# Altium PCB rv_pwr_es.PcbDoc
Units mil, origin at the board's own origin, x right, y up, seen from the top; angles counter-clockwise.
Board outline 8200 x 4900 mil, 2 copper layers (Top Layer, Bottom Layer), stack 60.4 mil thick; 78 components, 49 nets, 314 pads, 22 vias.
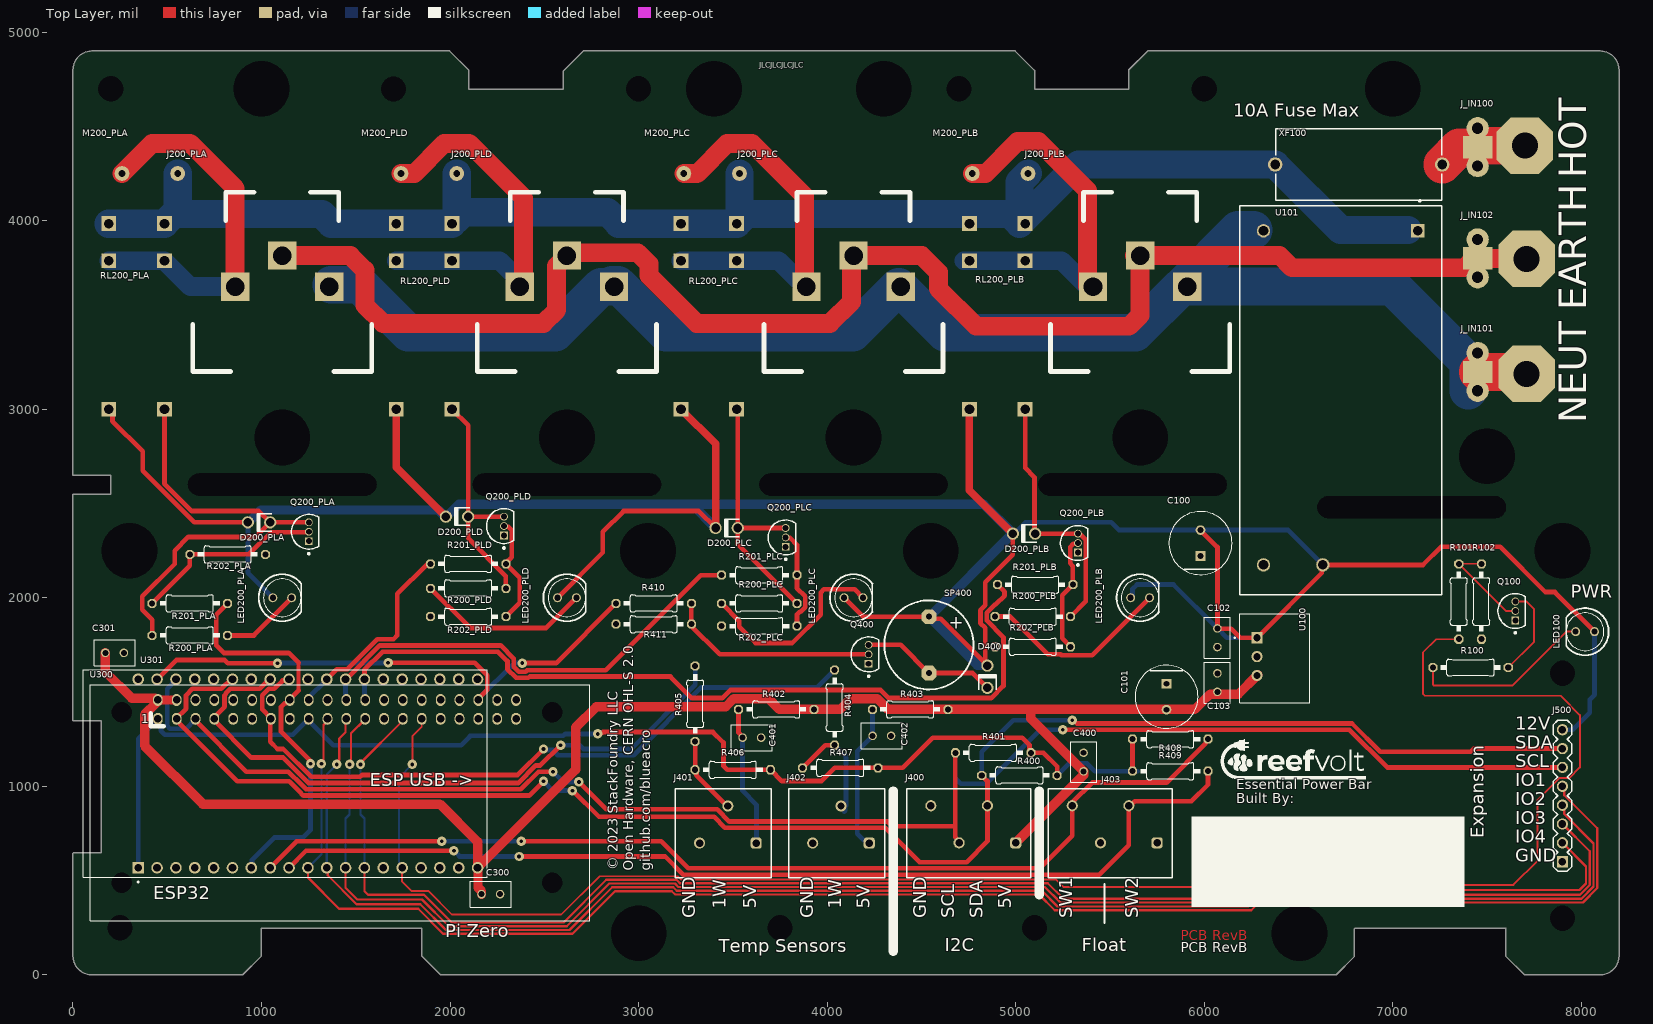
[diagram p0: Top Layer view]
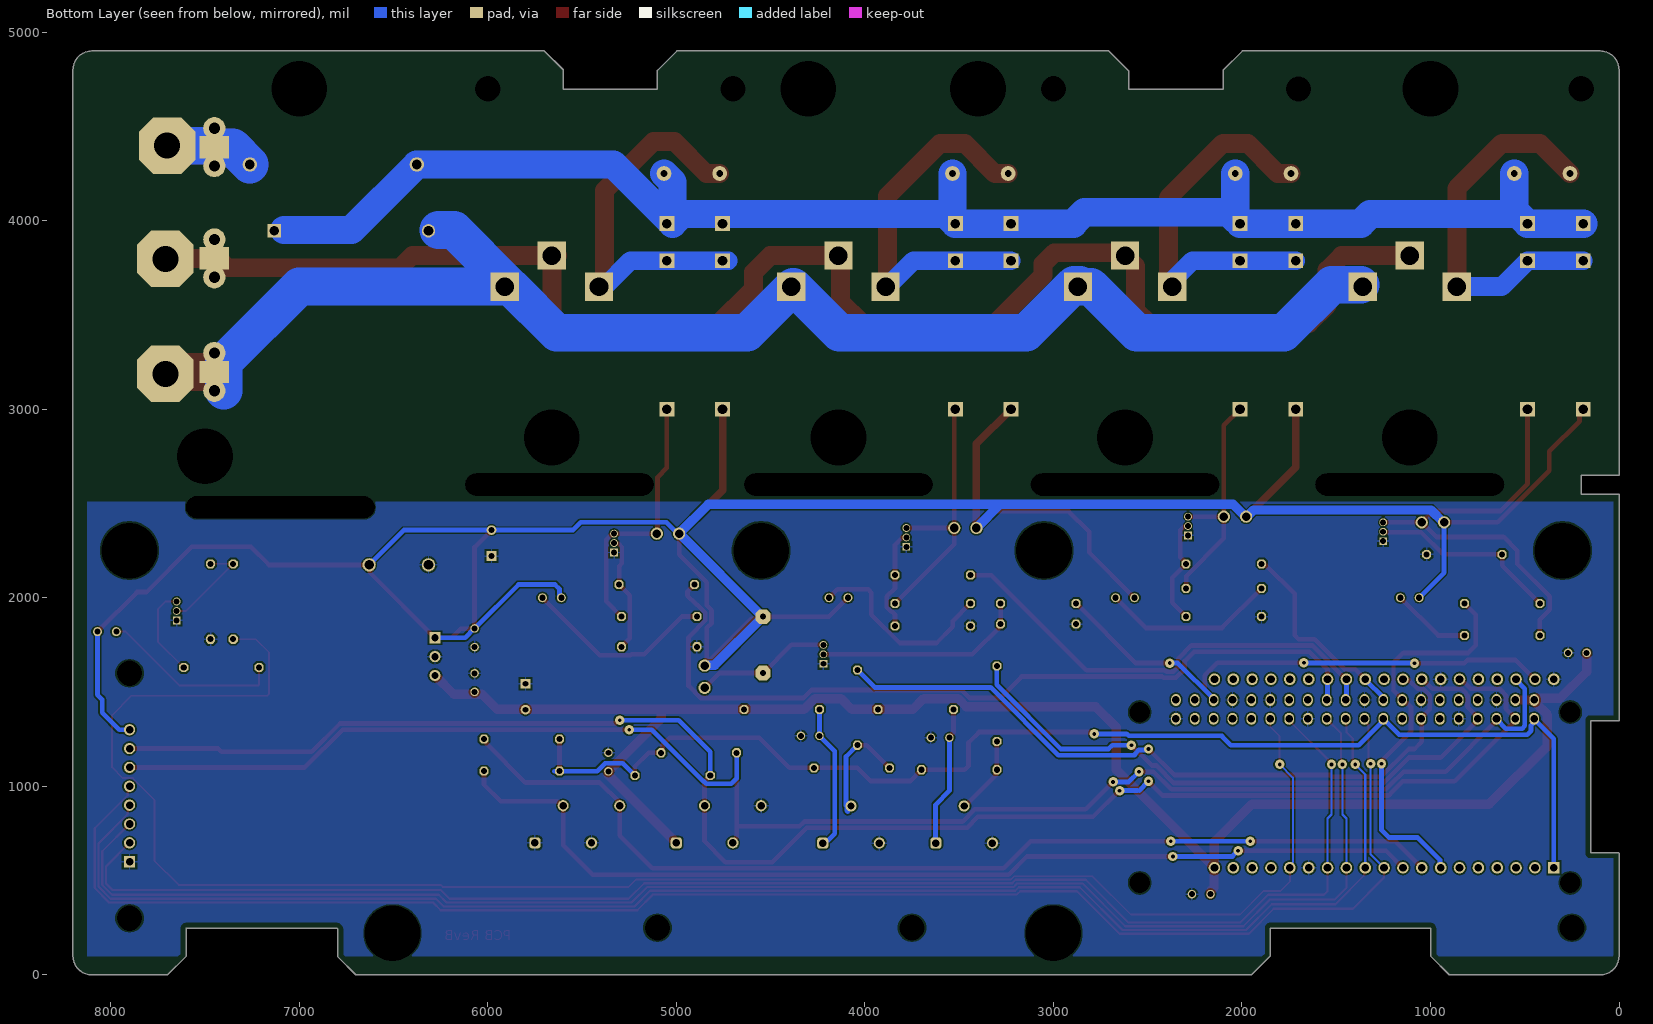
[diagram p1: Bottom Layer view, seen from below]
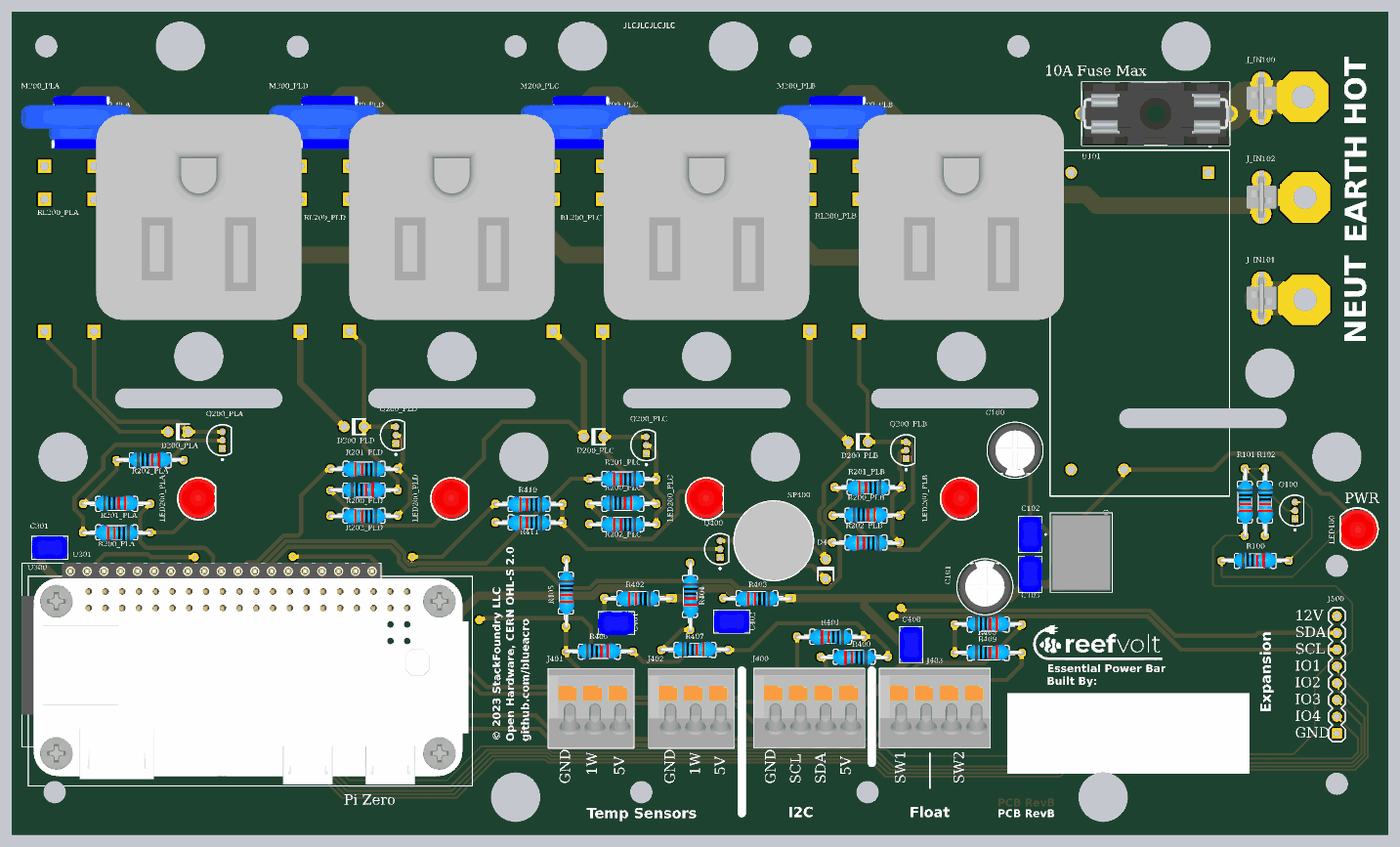
[diagram p2: 3D render of the assembled board from above, using the file's embedded part models]

## Layer stack, top to bottom
Top Solder: solder mask 0.5, Solder Resist, Dk 3.3
Top Layer: signal copper 0.7
Dielectric1: core 59, FR-4, Dk 4.3
Bottom Layer: signal copper 0.7
Bottom Solder: solder mask 0.5, Solder Resist, Dk 3.3

## Board outline
0,100 ccw(c100,100) 100,0 900,0 997.8,97.8 997.8,245.59 1000,247.8 1850,247.8 1850,100 1950,0 6700,0 6794.76,94.76 6794.76,242.56 6800,247.8 7600,247.8 7600.14,247.66 7600.14,97.8 7697.94,0 8100,0 ccw(c8100,100) 8200,100 8200,4800 ccw(c8100,4800) 8100,4900 5700,4900 5600,4800 5600,4697.8 5100,4697.8 5100,4797.02 4997.02,4900 2706.14,4900 2600.64,4794.5 2600.64,4698.43 2600,4697.8 2100,4697.8 2100,4797.8 1997.8,4900 100,4900 ccw(c100,4800) 0,4800 0,4760 0,4497.8 0,2650 199.65,2650 199.65,2550 0,2550 0,1347.8 150,1347.8 150,647.8 149.09,648.7 2.68,648.7 0,646.02

## Design rules (kind name [scope] priority, off if disabled: settings)
BoardOutlineClearance [All] p1: gap=30 ignorepadtopadclearanceinfootprint=FALSE
Clearance HotNoNet [InNetClass('HOT') vs InNet('No Net')] p1: gap=8 ignorepadtopadclearanceinfootprint=FALSE
Clearance HotAll [InNetClass('HOT')] p2: gap=70 ignorepadtopadclearanceinfootprint=FALSE
Clearance Neut [InNetClass('NEUT')] p3: gap=39.37 ignorepadtopadclearanceinfootprint=FALSE
Clearance [All] p4: gap=8 ignorepadtopadclearanceinfootprint=FALSE
ComponentClearance ComponentClearance_1 [InComponent('U300') vs InComponent('U301')] p1: gap=0 collisioncheckmode=3 verticalgap=0 showdistances=FALSE
ComponentClearance [All] p2: gap=10 collisioncheckmode=3 verticalgap=10 showdistances=FALSE
DiffPairsRouting [All] p1: maxlimit=10 minlimit=10 mostfreqgap=10 toplayer_minwidth=10 toplayer_maxwidth=10 toplayer_prefwidth=10 bottomlayer_minwidth=10 bottomlayer_maxwidth=10 bottomlayer_prefwidth=10 maxuncoupledlength=500
HoleSize [All] p1: absolutevalues=TRUE maxlimit=300 minlimit=10 maxpercent=80.000 minpercent=20.000
MinimumAnnularRing [All] p1: minimumring=9
PasteMaskExpansion [All] p1: expansion=10
PlaneClearance [All] p1: clearance=15
PlaneConnect [All] p1: pad.planeconnectstyle=Relief pad.reliefexpansion=20 pad.reliefentries=4 pad.reliefconductorwidth=10 pad.reliefairgap=10 via.planeconnectstyle=Direct via.reliefexpansion=20 via.reliefentries=4 via.reliefconductorwidth=10 via.reliefairgap=10
PolygonConnect [All] p1: thpad.connectstyle=Relief thpad.reliefconductorwidth=10 thpad.reliefentries=4 thpad.polygonreliefangle="90 Angle" thpad.airgapwidth=10 smdpad.connectstyle=Relief smdpad.reliefconductorwidth=10 smdpad.reliefentries=4 smdpad.polygonreliefangle="90 Angle" smdpad.airgapwidth=10 via.connectstyle=Direct via.reliefconductorwidth=10 via.reliefentries=4 via.polygonreliefangle="90 Angle" via.airgapwidth=10
RoomDefinition reefvolt_power_essentials_top [InComponentClass('reefvolt_power_essentials_top')] p1: confinementstyle=ConfineIn formatcopy=TRUE lockcomponents=FALSE outline 5606,1280.8 8166,1280.8 8166,4570.8 5606,4570.8
RoomDefinition PLC [InComponentClass('PLC')] p2: confinementstyle=ConfineIn formatcopy=TRUE lockcomponents=FALSE outline 3016,1780.8 4766,1780.8 4766,4420.8 3016,4420.8
RoomDefinition PLD [InComponentClass('PLD')] p3: confinementstyle=ConfineIn formatcopy=TRUE lockcomponents=FALSE outline 1516,1830.8 3246,1830.8 3246,4420.8 1516,4420.8
RoomDefinition PLB [InComponentClass('PLB')] p4: confinementstyle=ConfineIn formatcopy=TRUE lockcomponents=FALSE outline 4546,1670.8 6286,1670.8 6286,4420.8 4546,4420.8
RoomDefinition PLA [InComponentClass('PLA')] p5: confinementstyle=ConfineIn formatcopy=TRUE lockcomponents=FALSE outline 36,1730.8 1736,1730.8 1736,4420.8 36,4420.8
RoutingVias [All] p1: holewidth=19.68 width=50 viastyle="Through Hole" minholewidth=19.68 minwidth=50 maxholewidth=39.37 maxwidth=200
SMDNeckDown [All] p1: percent=100.000
SilkToSolderMaskClearance SilkscreenOverComponentPads [IsPad] p1: minsilkscreentomaskgap=10 clearancetoexposedcopper=TRUE
SolderMaskExpansion [All] p1: expansion=10 istentingtop=FALSE
Width [All] p1: maxlimit=300 minlimit=10 preferedwidth=10 minimp=50.000000 maximp=50.000000 favimp=50.000000
23 further rules are at their usual default settings.

## Classes and differential pairs
component class U_rv_pwr_addon: J500
net class NEUT: NEUT
component class U_rv_pwr_es_sensor: C400 C401 C402 D400 J400 J401 J402 J403 Q400 R400 R401 R402 R403 R404 R405 R406 R407 R408 R409 R410 R411 SP400
net class RLY[1..4]: RLY1 RLY2 RLY3 RLY4
component class U_rv_pwr_es_ctrl: C300 C301 U300 U301
component class PLD: D200_PLD J200_PLD LED200_PLD M200_PLD Q200_PLD R200_PLD R201_PLD R202_PLD RL200_PLD
channel class rv_pwr_es_relay: PLA PLB PLC PLD
component class PLC: D200_PLC J200_PLC LED200_PLC M200_PLC Q200_PLC R200_PLC R201_PLC R202_PLC RL200_PLC
component class PLB: D200_PLB J200_PLB LED200_PLB M200_PLB Q200_PLB R200_PLB R201_PLB R202_PLB RL200_PLB
component class PLA: D200_PLA J200_PLA LED200_PLA M200_PLA Q200_PLA R200_PLA R201_PLA R202_PLA RL200_PLA
net class HOT: HOT NetJ200_PLA_2 NetJ200_PLB_2 NetJ200_PLC_2 NetJ200_PLD_2
component class reefvolt_power_essentials_top: C100 C101 C102 C103 J_IN100 J_IN101 J_IN102 LED100 Q100 R100 R101 R102 U100 U101 XF100

## Components (designator, comment, footprint, x,y, rotation, side; value= is the part's Value field where it differs from the comment)
C100 "CAP 100uF 25V Aluminum 8mm Through Hole" FP-RAD-TH-D_8_0_5-L_11_5-MFG 5980,2290 r90 top value=100uF
C101 "CAP 100uF 25V Aluminum 8mm Through Hole" FP-RAD-TH-D_8_0_5-L_11_5-MFG 5800,1475 r270 top value=100uF
C102 "FG16X7R1E106KRT06" CAPRB250W50L550T350H600 6070,1787.8 r90 top value=10uF
C103 "FG16X7R1E106KRT06" CAPRB250W50L550T350H600 6070,1550 r270 top value=10uF
C300 "FG16X7R1E106KRT06" CAPRB250W50L550T350H600 2216,427.8 r180 top value=10uF
C301 "FG16X7R1E106KRT06" CAPRB250W50L550T350H600 220.79,1707.8 r180 top value=10uF
C400 "FG16X7R1E106KRT06" CAPRB250W50L550T350H600 5360,1128.58 r270 top value=10uF
C401 "FG16X7R1E106KRT06" CAPRB250W50L550T350H600 3600.79,1257.8 r180 top value=10uF
C402 "FG16X7R1E106KRT06" CAPRB250W50L550T350H600 4290,1267.8 r180 top value=10uF
D200_PLA "1N4007-T" DIOD-DO-41-P-2_V2 1046,2400 r180 top (schematic designator D200)
D200_PLB "1N4007-T" DIOD-DO-41-P-2_V2 5103.24,2340 r180 top (schematic designator D200)
D200_PLC "1N4007-T" DIOD-DO-41-P-2_V2 3526.25,2370 r180 top (schematic designator D200)
D200_PLD "1N4007-T" DIOD-DO-41-P-2_V2 2096,2430 r180 top (schematic designator D200)
D400 "1N4007-T" DIOD-DO-41-P-2_V2 4850,1521.89 r90 top
J200_PLA "CMP-188-0012-1" 3-213598-2 1110,3650 r180 top (schematic designator J200)
J200_PLB "CMP-188-0012-1" 3-213598-2 5660,3650 r180 top (schematic designator J200)
J200_PLC "CMP-188-0012-1" 3-213598-2 4140,3650 r180 top (schematic designator J200)
J200_PLD "CMP-188-0012-1" 3-213598-2 2620,3650 r180 top (schematic designator J200)
J400 "691412320004" 691412320004 4751.57,751.18 r0 top
J401 "691412320003" 691412320003 3450,750 r0 top
J402 "691412320003" 691412320003 4050,750 r0 top
J403 "691412320004" 691412320004 5501.57,751.18 r0 top
J500 "M08" 1X08 7900,600 r90 top
J_IN100 "CMP-133-0014-2" 0197054203 7450,4290 r90 top
J_IN101 "CMP-133-0014-2" 0197054203 7450,3097.8 r90 top
J_IN102 "CMP-133-0014-2" 0197054203 7450,3700 r90 top
LED100 "" LED5MM 8020,1820 r180 top
LED200_PLA "" LED5MM 1110,2000 r0 top (schematic designator LED200)
LED200_PLB "" LED5MM 5660,2000 r0 top (schematic designator LED200)
LED200_PLC "" LED5MM 4140,2000 r0 top (schematic designator LED200)
LED200_PLD "" LED5MM 2620,2000 r0 top (schematic designator LED200)
M200_PLA "GMOV-14D301K" GMOV_14mm 555.28,4250 r180 top (schematic designator M200)
M200_PLB "GMOV-14D301K" GMOV_14mm 5065.28,4250 r180 top (schematic designator M200)
M200_PLC "GMOV-14D301K" GMOV_14mm 3535.28,4250 r180 top (schematic designator M200)
M200_PLD "GMOV-14D301K" GMOV_14mm 2035.28,4250 r180 top (schematic designator M200)
Q100 "2N4401" ONSC-TO-92-3-29-11 7650,1930 r90 top
Q200_PLA "2N4401" ONSC-TO-92-3-29-11 1250.93,2350 r90 top (schematic designator Q200)
Q200_PLB "2N4401" ONSC-TO-92-3-29-11 5330,2290 r90 top (schematic designator Q200)
Q200_PLC "2N4401" ONSC-TO-92-3-29-11 3780,2320 r90 top (schematic designator Q200)
Q200_PLD "2N4401" ONSC-TO-92-3-29-11 2286,2380 r90 top (schematic designator Q200)
Q400 "2N4401" ONSC-TO-92-3-29-11 4220,1700 r90 top
R100 "1k TH 0207 5% 0.25W" 0207/10 7412.34,1630 r180 top value=1k
R101 "470 TH 0207 5% 0.25W" 0207/10 7350,1980 r90 top value=470
R102 "47k TH 0207 5% 1/4W" "0207/10 - Cloned" 7470,1980 r90 top value=47k
R200_PLA "1k TH 0207 5% 0.25W" 0207/10 620,1800 r0 top value=1k (schematic designator R200)
R200_PLB "1k TH 0207 5% 0.25W" 0207/10 5090.74,1900 r180 top value=1k (schematic designator R200)
R200_PLC "1k TH 0207 5% 0.25W" 0207/10 3640,1970 r180 top value=1k (schematic designator R200)
R200_PLD "1k TH 0207 5% 0.25W" 0207/10 2096,2050 r180 top value=1k (schematic designator R200)
R201_PLA "470 TH 0207 5% 0.25W" 0207/10 620,1970 r180 top value=470 (schematic designator R201)
R201_PLB "470 TH 0207 5% 0.25W" 0207/10 5103.24,2070 r0 top value=470 (schematic designator R201)
R201_PLC "470 TH 0207 5% 0.25W" 0207/10 3640,2120 r0 top value=470 (schematic designator R201)
R201_PLD "470 TH 0207 5% 0.25W" 0207/10 2096,2180 r0 top value=470 (schematic designator R201)
R202_PLA "47k TH 0207 5% 1/4W" "0207/10 - Cloned" 820,2230 r180 top value=47k (schematic designator R202)
R202_PLB "47k TH 0207 5% 1/4W" "0207/10 - Cloned" 5090.74,1740 r0 top value=47k (schematic designator R202)
R202_PLC "47k TH 0207 5% 1/4W" "0207/10 - Cloned" 3640,1850 r0 top value=47k (schematic designator R202)
R202_PLD "47k TH 0207 5% 1/4W" "0207/10 - Cloned" 2096,1900 r0 top value=47k (schematic designator R202)
R400 "4.7k TH 0207 5% 1/4W" "0207/10 - Cloned" 5020,1057.8 r0 top value=4.7k
R401 "4.7k TH 0207 5% 1/4W" "0207/10 - Cloned" 4880,1177.8 r0 top value=4.7k
R402 "10R TH 0207 5% 1/4W" 0207/10 3730,1407.8 r0 top value=10R
R403 "10R TH 0207 5% 1/4W" 0207/10 4440,1407.8 r0 top value=10R
R404 "10R TH 0207 5% 1/4W" 0207/10 4040,1417.8 r90 top value=10R
R405 "10R TH 0207 5% 1/4W" 0207/10 3300,1437.8 r90 top value=10R
R406 "4.7k TH 0207 5% 1/4W" "0207/10 - Cloned" 3500,1087.8 r180 top value=4.7k
R407 "4.7k TH 0207 5% 1/4W" "0207/10 - Cloned" 4070,1097.8 r180 top value=4.7k
R408 "4.7k TH 0207 5% 1/4W" "0207/10 - Cloned" 5820,1250 r180 top value=4.7k
R409 "4.7k TH 0207 5% 1/4W" "0207/10 - Cloned" 5820,1080 r180 top value=4.7k
R410 "470 TH 0207 5% 0.25W" 0207/10 3080,1970 r0 top value=470
R411 "47k TH 0207 5% 1/4W" "0207/10 - Cloned" 3080,1860 r0 top value=47k
RL200_PLA "G5RL-1A4-E-TV8" G5RL-1A4-E-TV8 190,3000 r90 top (schematic designator RL200)
RL200_PLB "G5RL-1A4-E-TV8" G5RL-1A4-E-TV8 4754.72,3000 r90 top (schematic designator RL200)
RL200_PLC "G5RL-1A4-E-TV8" G5RL-1A4-E-TV8 3224.72,3000 r90 top (schematic designator RL200)
RL200_PLD "G5RL-1A4-E-TV8" G5RL-1A4-E-TV8 1714.72,3000 r90 top (schematic designator RL200)
SP400 "WST-1212UX" WST-1212UX-Footprint-1 4540,1750 r0 top
U100 "P7805-2000-S" CONV_P7805-2000 6280,1687.8 r270 top
U101 "IRM-20-12" MEANW-IRM-20-12 6723.86,3060 r90 top
U300 "RPI Zero" RPI_ZERO_W 2542.13,488.11 r0 top
U301 "ESP32-DEVKITC-32D" MODULE_ESP32-DEVKITC-32D 1123.95,1067.8 r90 top
XF100 "696103201002" 696103201002 6818.98,4297.8 r180 top

## Footprints (in the part's own frame and the unit in brackets; to place one, negate y for a bottom-side part, rotate by r counter-clockwise, add the part's x,y. Pads: shape width x height; smd on the part's side, far side on the other; paste and mask are expansions set on the pad)
1X08 [mil]
  rect 60x60 hole 40: 1(0,0)
  round 60 hole 40: 2(100,0) 3(200,0) 4(300,0) 5(400,0) 6(500,0) 7(600,0) 8(700,0)
  silkscreen extent -50,-50 750,50
3-213598-2 [mm]
  rect 3.81x3.81 hole 2.5: 1(-6.35,0) 2(6.35,0) 3(0,-4.191)
  silkscreen extent -12.07,-12.7 12.06,11.43, body extent -15.56,-16.32 15.56,14.8, height 32.65
0207/10 [mil]
  oct 48x48 hole 32: 1(-200,0) 2(200,0)
  silkscreen extent -159,-45 159,45, body extent -212,-51 212,43, height 126
"0207/10 - Cloned" [mil]
  oct 48x48 hole 32: 1(-200,0) 2(200,0)
  silkscreen extent -159,-45 159,45, body extent -212,-51 212,43, height 126
0197054203 [mm]
  round 3 hole 1.5: 1(0,0) 2(5.08,0)
  rect 3x4 smd: 3(2.54,0)
  rect 3x4 smd far side: 3(2.54,0)
  body extent -1.4,-1.52 6.48,1.52, height 10.3
691412320003 [mm] "3.81mm 45¡ã Cable Entry Screwless, 3p"
  rrect50% 1.5x1.5 hole 1: 1(4.405,-1.3)
  round 1.5 hole 1: 2(0.595,3.7) 3(-3.215,-1.3)
  silkscreen extent -6.47,-6 6.47,6, body extent -6.47,-6 6.47,6, height 13.28
691412320004 [mm] "3.81mm 45¡ã Cable Entry Screwless, 4p"
  rrect50% 1.5x1.5 hole 1: 1(6.31,-1.3)
  round 1.5 hole 1: 2(2.5,3.7) 3(-1.31,-1.3) 4(-5.12,3.7)
  silkscreen extent -8.37,-6 8.37,6, body extent -8.37,-6 8.37,6, height 13.28
696103201002 [mm] "FUSEHOLDER BLOCKS - PCB - CLIP COVER - THR"
  round 1.95 hole 1.3: 1(-11.25,0) 2(11.25,0)
  silkscreen extent -11.2,-4.8 11.2,4.8, body extent -12.05,-4.8 12.05,4.8, height 11.55
CAPRB250W50L550T350H600 [mm]
  round 1.15 hole 0.8: 1(-1.25,0) 2(1.25,0)
  silkscreen extent -2.75,-1.75 2.75,1.75, body extent -2.75,-1.75 2.75,1.75, height 3
CONV_P7805-2000 [mm]
  rect 1.508x1.508 hole 1: 1(-2.54,0)
  round 1.508 hole 1: 2(0,0) 3(2.54,0)
  silkscreen extent -5.8,-3.1 6.22,7.11, body extent -5.5,-2.09 6,6.91, height 17.51
DIOD-DO-41-P-2_V2 [mm] "2-Leads, Axial Lead, Body 4.635x2.36mm, Pin Spacing 3mm"
  round 1.65 hole 1.15: 1(0,0) 2(3,0)
  silkscreen extent -0.22,-1.18 1.78,1.18, body extent -0.43,-1.18 4.18,1.18, height 8.07
FP-RAD-TH-D_8_0_5-L_11_5-MFG [mm]
  rect 1.3x1.3 hole 0.8 paste-1000 mask+0: 1(-1.75,0)
  round 1.3 hole 0.8 paste-1000 mask+0: 2(1.75,0)
  silkscreen extent -4.25,-4.25 4.25,4.25, body extent -4.35,-4.35 4.35,4.35, height 0.25
G5RL-1A4-E-TV8 [mm]
  rect 2x2 hole 1.3: 1(0,0) 3(20,0) 4(25,0) 5(25,-7.5) 6(20,-7.5) 8(0,-7.5)
  body extent -2.5,-10.2 26.5,2.5, height 15.71
GMOV_14mm [mm]
  round 2 hole 0.9: 1(0,0) 2(7.5,0)
  body extent -3.87,-3.9 12.87,4.1, height 25.37
LED5MM [mil]
  round 48 hole 32: A(-50,0) K(50,0)
  silkscreen extent -125,-125 100,125, body extent -122,-114 94,122, height 335
MEANW-IRM-20-12 [mm] "THD, 4-Leads, Body 52.4x27.2mm, Height 24mm"
  rect 1.8x1.8 hole 1.3: 1(22.5,-10.4)
  round 1.8 hole 1.3: 2(22.5,10.4) 3(-22.5,10.4) 4(-22.5,2.4)
  silkscreen extent -26.5,-13.6 26.67,13.6, body extent -26.5,-13.6 25.9,13.6, height 24
MODULE_ESP32-DEVKITC-32D [mm]
  rect 1.56x1.56 / inner round 1.56 / far side rect 1.56x1.56 hole 1.04: J2-1(-12.7,19.76)
  round 1.56 hole 1.04: J2-2(-12.7,17.22) J2-3(-12.7,14.68) J2-4(-12.7,12.14) J2-5(-12.7,9.6) J2-6(-12.7,7.06) J2-7(-12.7,4.52) J2-8(-12.7,1.98) J2-9(-12.7,-0.56) J2-10(-12.7,-3.1) J2-11(-12.7,-5.64) J2-12(-12.7,-8.18) J2-13(-12.7,-10.72) J2-14(-12.7,-13.26) J2-15(-12.7,-15.8) J2-16(-12.7,-18.34) J2-17(-12.7,-20.88) J2-18(-12.7,-23.42) J2-19(-12.7,-25.96) J3-1(12.7,19.76) J3-2(12.7,17.22) J3-3(12.7,14.68) J3-4(12.7,12.14) J3-5(12.7,9.6) J3-6(12.7,7.06) J3-7(12.7,4.52) J3-8(12.7,1.98) J3-9(12.7,-0.56) J3-10(12.7,-3.1) J3-11(12.7,-5.64) J3-12(12.7,-8.18) J3-13(12.7,-10.72) J3-14(12.7,-13.26) J3-15(12.7,-15.8) J3-16(12.7,-18.34) J3-17(12.7,-20.88) J3-18(12.7,-23.42) J3-19(12.7,-25.96)
  silkscreen extent -14.7,-27.25 13.95,27.15, body extent -13.97,-27.85 13.97,27.25, height 6.7
ONSC-TO-92-3-29-11 [mm] "TO, 3-Leads, Body Dia 4.7mm, Pitch 1.27mm"
  rect 1.05x1.05 hole 0.8: 1(-1.27,0)
  round 1.05 hole 0.8: 2(0,0) 3(1.27,0)
  silkscreen extent -3.07,-1.34 2.35,2.35, body extent -2.35,-1.33 2.36,2.36, height 7.87